# KiCad board Marble.kicad_pcb (continued)
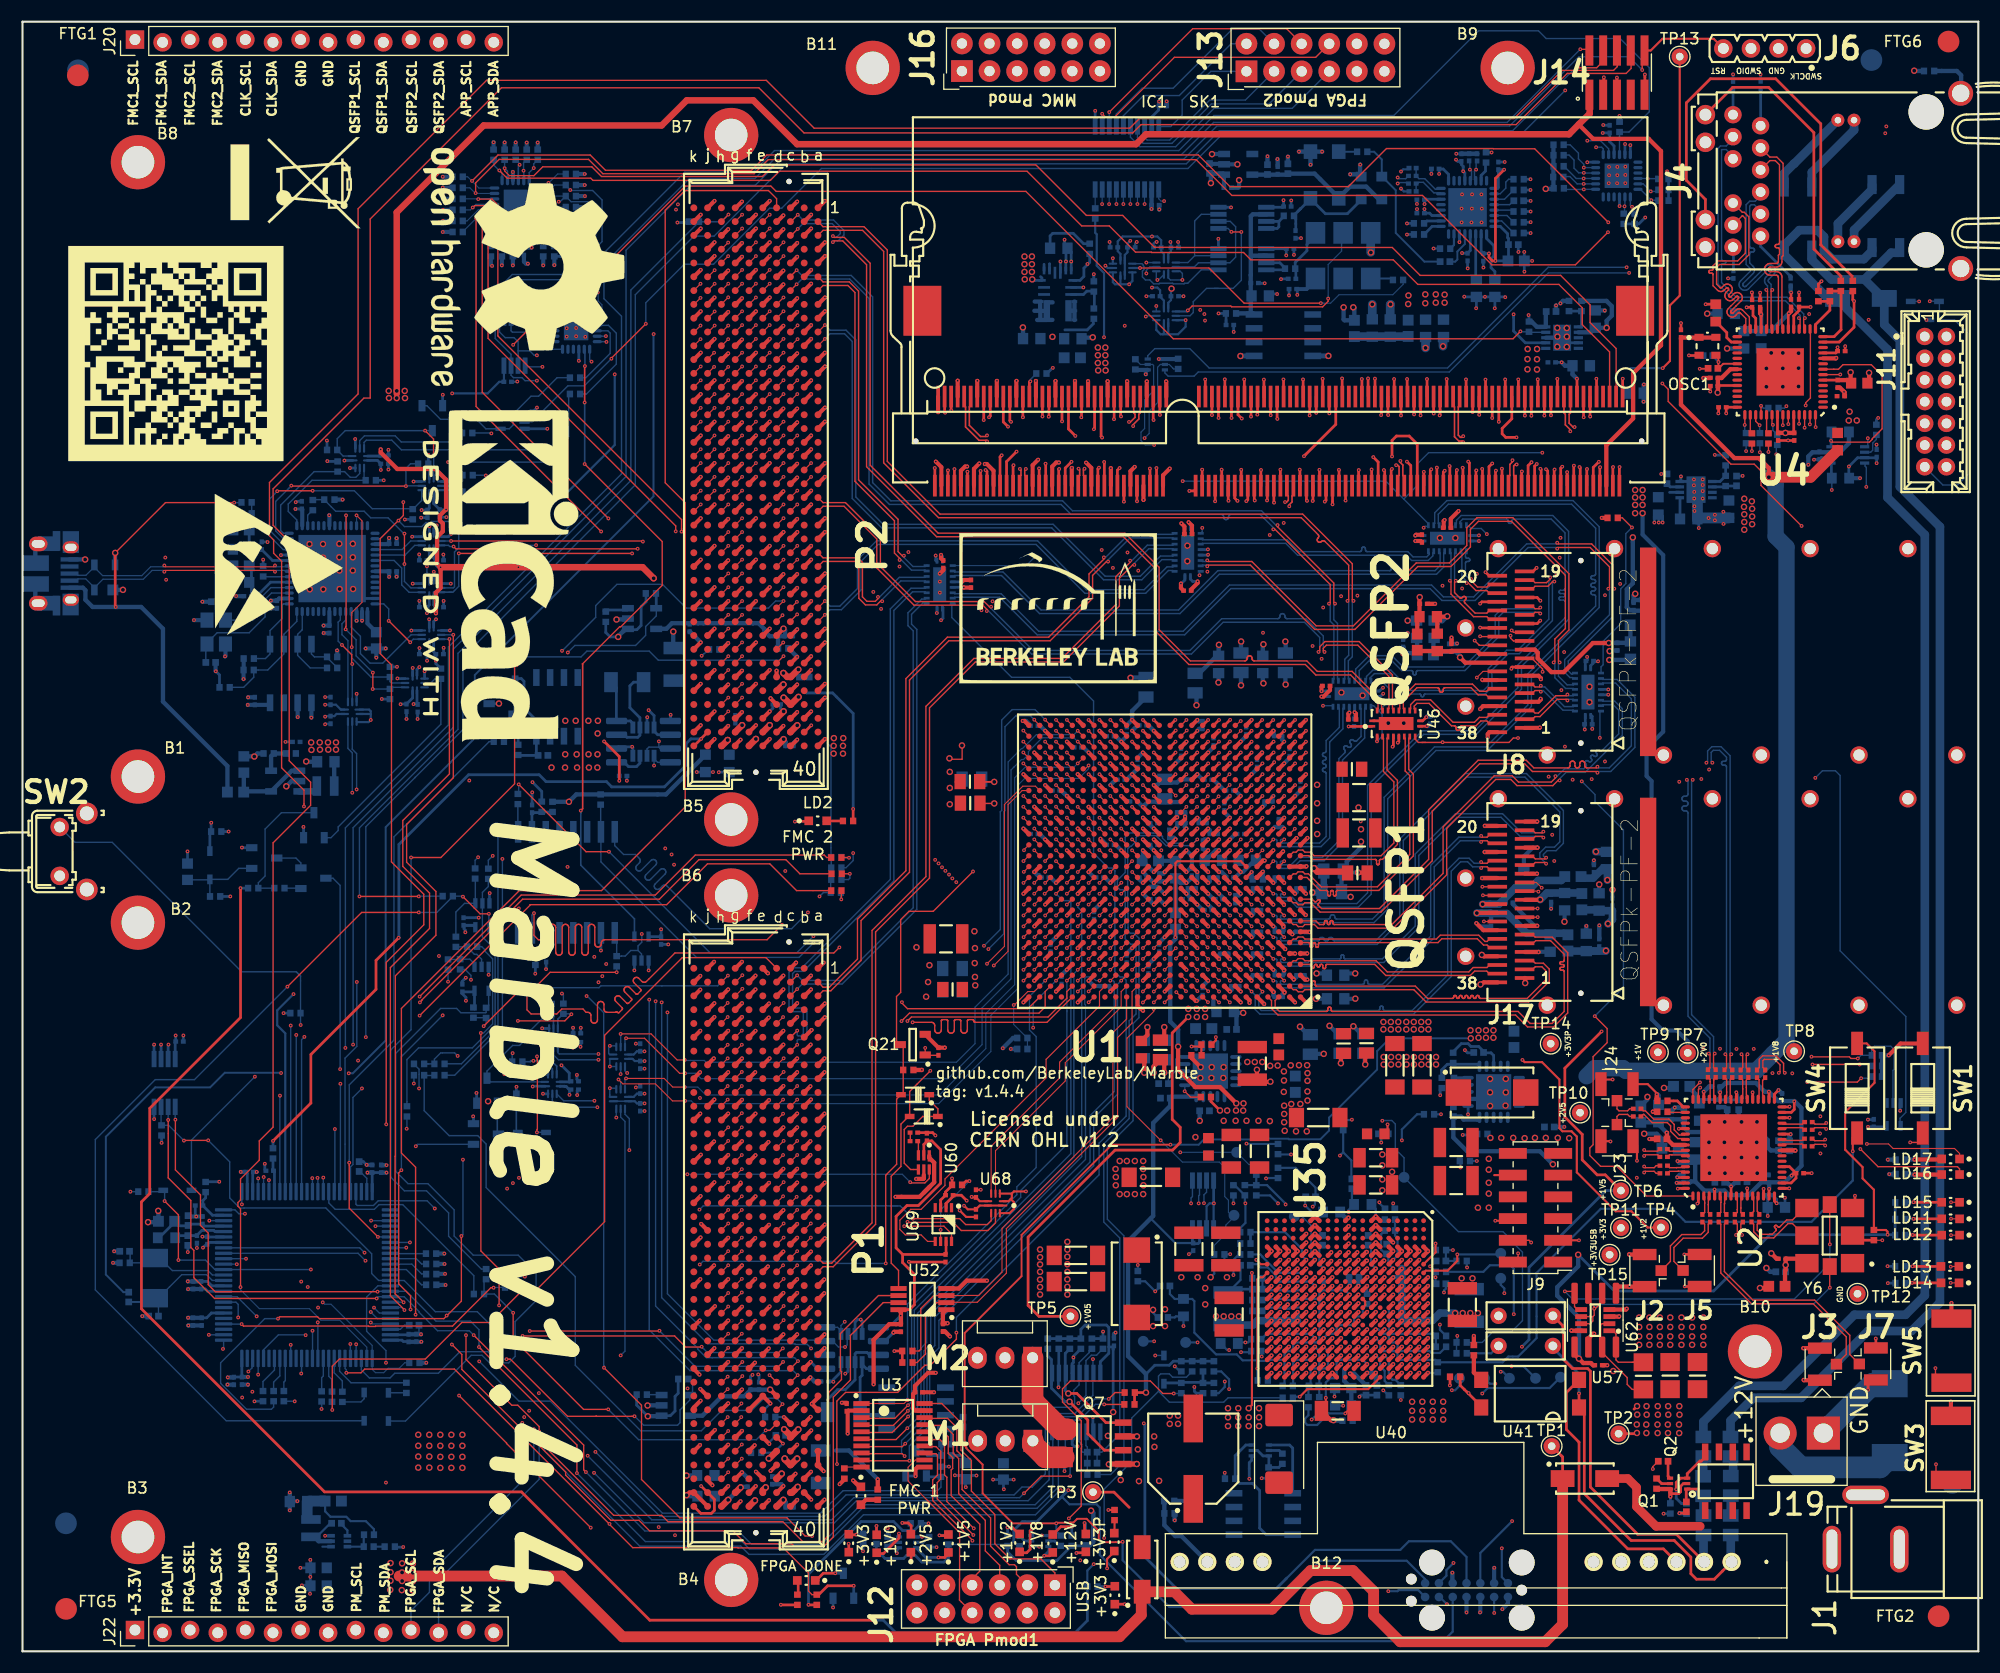
[diagram p0: board, top side]
## Routing (per net, layer and track width the routed paths; a pad name or vN(x,y) marks a point on that pad's centre or on a via; arc(x,y) is an arc through that point) (continued)
/ETH_PHY/RGMII_TX_EN: length 102
  Top w0.102: U1.C9 110.12,61.73 v1(110.12,61.73)
  Top w0.127: U4.56 165.02,112.7 v1(165.03,112.68)
  In2.Cu w0.127: v1(165.03,112.68) 165.03,110.38 163.57,108.91 163.57,105.82 162.83,105.08 162.83,91.56 163.65,90.74 163.66,79.94 161.93,78.2 161.93,74.01 148.74,60.83 146.29,60.83 144.9,59.44 142.67,59.44 140.9,61.21 138.74,61.21 138.22,60.69 117.09,60.69 116.69,60.3 114.02,60.3 113.95,60.37 111.99,60.37 110.62,61.73 v1(110.12,61.73)
/ETH_PHY/RGMII_TXD0: length 102.2
  Top w0.102: U1.H11 v1(108.12,66.73)
  Top w0.127: U4.50 162.02,112.87 v1(162.01,112.86)
  In2.Cu w0.127: v1(162.01,112.86) 161.78,112.63 161.78,107.53 160.69,106.43 160.69,90.08 161.58,89.18 161.58,81.74 159.92,80.08 159.92,76.31 147.63,64.02 135.02,64.02 133.96,62.96 132.03,62.96 130.74,64.24 126.82,64.24 126.76,64.24 126.69,64.22 126.64,64.18 126.59,64.13 126.55,64.08 126.53,64.01 126.52,63.94 126.52,63.65 126.52,63.58 126.49,63.52 126.46,63.46 126.41,63.42 126.35,63.38 126.29,63.36 126.22,63.35 126.16,63.36 126.09,63.38 126.04,63.42 125.99,63.46 125.95,63.52 125.93,63.58 125.92,63.65 125.92,64.44 125.92,64.49 125.9,64.53 125.88,64.57 125.85,64.6 125.81,64.62 125.77,64.63 125.73,64.64 125.52,64.64 125.48,64.63 125.44,64.62 125.4,64.6 125.37,64.57 125.34,64.53 125.33,64.49 125.32,64.44 125.32,63.65 125.32,63.58 125.29,63.52 125.26,63.46 125.21,63.42 125.15,63.38 125.09,63.36 125.02,63.35 124.96,63.36 124.89,63.38 124.84,63.42 124.79,63.46 124.75,63.52 124.73,63.58 124.72,63.65 124.72,63.94 124.72,64.01 124.69,64.08 124.66,64.13 124.61,64.18 124.55,64.22 124.49,64.24 124.42,64.24 124.22,64.24 123.11,65.35 109.95,65.35 109.76,65.55 109.76,65.73 109.39,66.1 108.75,66.1 v1(108.12,66.73)
/ETH_PHY/RGMII_TXD1: length 102.2
  Top w0.102: v1(107.13,66.73) 106.63,67.23 106.62,67.23
  Top w0.127: v1(162.52,112.96) 162.52,112.96 U4.51
  In2.Cu w0.127: v1(162.52,112.96) 162.97,112.52 162.97,111.04 162.01,110.08 162.01,107.19 161.16,106.34 161.16,90.4 162.01,89.55 162.01,81.46 160.33,79.78 160.33,75.88 148.09,63.64 135.4,63.64 134.26,62.49 129.67,62.49 129.6,62.5 129.54,62.53 129.47,62.56 129.42,62.62 129.39,62.68 129.36,62.74 129.35,62.89 129.32,62.96 129.28,63.02 129.23,63.07 129.17,63.11 129.1,63.13 129.03,63.14 128.97,63.14 128.9,63.13 128.84,63.11 128.77,63.07 128.72,63.02 128.69,62.96 128.66,62.89 128.65,62.82 128.65,62.49 128.65,62.49 128.65,62.42 128.65,62.41 128.64,62.39 128.63,62.38 128.62,62.37 128.61,62.36 128.59,62.35 128.58,62.35 128.02,62.35 128,62.35 127.99,62.36 127.98,62.37 127.97,62.38 127.96,62.39 127.95,62.41 127.95,62.44 127.94,62.45 127.93,62.47 127.92,62.48 127.91,62.49 127.89,62.49 127.88,62.49 124.8,62.49 122.35,64.95 116.66,64.95 116.52,65.1 109.21,65.1 108.75,65.55 108.75,65.59 107.61,66.73 v1(107.13,66.73)
/ETH_PHY/RGMII_TXD2: length 97.3
  Top w0.11: v1(111.12,62.75) 111.1,62.75 U1.D8
  Top w0.127: U4.54 v1(164.02,112.63)
  In2.Cu w0.127: v1(111.12,62.75) 111.62,62.25 116.03,62.25 116.1,62.17 118.64,62.17 119.08,61.73 133.84,61.73 133.96,61.85 135.28,61.85 135.85,62.41 148.63,62.41 149.34,63.12 149.34,63.13 161.08,74.88 161.08,79.17 162.79,80.88 162.79,82.52 162.78,90.3 162.01,91.07 162.01,105.55 162.79,106.33 162.79,109.36 164.02,110.59 v1(164.02,112.63)
/ETH_PHY/RGMII_TXD3: length 102.3
  Top w0.102: U1.D9 110.12,62.73 v1(110.12,62.73)
  Top w0.127: U4.55 164.52,112.95 v1(164.5,112.94)
  In2.Cu w0.127: v1(110.12,62.73) 110.62,62.73 112.12,61.22 119.38,61.22 119.42,61.22 119.44,61.21 119.47,61.19 119.49,61.17 119.51,61.15 119.52,61.12 119.52,61.06 119.53,61.03 119.55,61 119.57,60.98 119.6,60.96 119.63,60.95 119.66,60.95 119.98,60.95 120.02,60.95 120.04,60.96 120.07,60.98 120.09,61 120.11,61.03 120.12,61.06 120.12,61.09 120.12,61.22 120.13,61.22 120.13,61.33 120.14,61.36 120.15,61.38 120.16,61.4 120.18,61.42 120.2,61.43 120.22,61.44 120.25,61.44 120.62,61.44 120.65,61.44 120.67,61.43 120.69,61.42 120.71,61.4 120.72,61.38 120.73,61.36 120.73,61.33 120.73,61.09 120.74,61.06 120.75,61.03 120.76,61 120.79,60.98 120.81,60.96 120.84,60.95 120.87,60.95 121.2,60.95 121.23,60.95 121.26,60.96 121.28,60.98 121.31,61 121.32,61.03 121.33,61.06 121.33,61.09 121.33,61.33 121.34,61.36 121.35,61.38 121.36,61.4 121.38,61.42 121.4,61.43 121.42,61.44 121.45,61.44 121.82,61.44 121.85,61.44 121.87,61.43 121.89,61.42 121.91,61.4 121.92,61.38 121.93,61.36 121.93,61.33 121.93,61.09 121.94,61.06 121.95,61.03 121.96,61 121.99,60.98 122.01,60.96 122.04,60.95 122.07,60.95 122.4,60.95 122.43,60.95 122.46,60.96 122.48,60.98 122.51,61 122.52,61.03 122.53,61.06 122.53,61.09 122.53,61.33 122.54,61.36 122.55,61.38 122.56,61.4 122.58,61.42 122.6,61.43 122.62,61.44 122.65,61.44 123.02,61.44 123.05,61.44 123.07,61.43 123.09,61.42 123.11,61.4 123.12,61.38 123.13,61.36 123.13,61.33 123.13,61.09 123.14,61.06 123.15,61.03 123.16,61 123.19,60.98 123.21,60.96 123.24,60.95 123.27,60.95 123.6,60.95 123.63,60.95 123.66,60.96 123.68,60.98 123.71,61 123.72,61.03 123.73,61.06 123.74,61.12 123.75,61.15 123.76,61.17 123.79,61.19 123.81,61.21 123.84,61.22 123.87,61.22 133.29,61.22 133.6,60.92 137.02,60.92 138.08,61.97 138.52,61.97 138.62,61.88 148.9,61.88 161.48,74.45 161.48,78.72 163.13,80.38 163.13,90.59 162.47,91.26 162.47,105.34 162.56,105.43 163.13,106.01 163.13,109.09 164.5,110.46 v1(164.5,112.94)
/FANFAIL: length 166.2
  In2.Cu w0.127: v1(52.73,18.35) 49.57,21.52 49.57,47.51 49.26,47.82 49.26,100.95 49.81,101.49 53.74,105.4 v1(53.74,120.53)
  Bottom w0.127: 82.67,14.39 75.79,14.39 73.81,12.41 58.67,12.41 v1(52.73,18.35) ; 82.67,14.39 82.61,14.39 ; 82.67,14.39 91.26,14.39 91.98,15.12 92.92,15.12 94.13,16.32 94.13,21.69 94.89,22.46 96.5,22.46 96.83,22.78 96.83,23.45 96.75,23.53 96.75,24.03 97.24,24.52 97.24,26.57 98.17,27.5 98.17,27.68 98.33,27.84 R173.2 ; v1(53.74,120.53) 53.72,120.55 U39.6
/FMC1_PRSNT_M2C_L: length 27.9
  Top w0.102: P1.H2 v1(64.92,62.2)
  Top w0.127: v1(42.44,57.54) 45.54,60.64 v1(45.54,61.26)
  Bottom w0.127: 58.9,61.26 58.82,61.26 ; 58.82,61.26 63.98,61.26 v1(64.92,62.2) ; 58.82,61.26 53.23,61.26 53.06,61.08 45.71,61.08 v1(45.54,61.26) ; v1(42.44,57.54) 42.67,57.77 R63.1 42.64,58.32 R234.2
/FMC1_PRSNT_Override: length 2
  Bottom w0.127: D18.2 35.5,23.79 35.48,23.78 R151.1
/FMC1_TCK: length 60.4
  Top w0.127: v1(62.51,28.03) 62.48,28.01 61.03,28.01 60.02,29.02 v1(46.02,29.02) ; P1.D29 v1(69.97,27.88)
  In2.Cu w0.127: v1(40.05,54.8) 40.05,37.98 39.92,37.85 39.92,31.49 42.39,29.02 v1(46.02,29.02)
  Bottom w0.127: v1(62.51,28.03) 63.04,27.5 69.59,27.5 v1(69.97,27.88) ; v1(40.05,54.8) 39.77,55.08 38.48,55.08 37.91,54.5 R241.2 R239.1 37.38,54.07
/FMC1_TDI: length 64.2
  Top w0.127: P1.D30 v1(70,26.64) ; v1(58.62,29.51) 58.59,29.48 v1(46.68,29.48)
  In2.Cu w0.127: v1(41.27,61.81) 41.27,49.95 40.97,49.65 40.97,38.27 41.65,37.58 41.65,31.03 43.2,29.48 v1(46.68,29.48)
  Bottom w0.127: R277.1 40.73,62.77 41.27,62.22 v1(41.27,61.81) ; v1(70,26.64) 69.59,26.23 61.9,26.23 v1(58.62,29.51)
/FMC1_TDO: length 64.1
  Top w0.127: P1.D31 v1(68.76,25.42) ; v1(42.19,56.91) 42.19,36.85 43.86,35.17 v1(43.86,31.84)
  In9.Cu w0.127: v1(43.86,31.84) 46.28,31.84 53.24,24.88 68.22,24.88 v1(68.76,25.42)
  Bottom w0.127: v1(42.19,56.91) 42.43,56.91 43.27,57.74 43.27,63.74 42.58,64.43 42.58,64.54 42.26,64.86 R278.1
/FMC1_TMS: length 58.7
  Top w0.127: P1.D33 69.43,22.23 v1(69.95,22.75)
  Bottom w0.127: 36.99,53 37.83,53 37.86,53.03 ; R240.1 36.97,49.76 39.27,47.46 41.9,47.46 42.67,46.7 42.67,42.69 50.87,34.48 50.87,26.32 56.9,20.3 62.48,20.3 64.35,22.17 67.11,22.17 68.23,23.29 69.41,23.29 v1(69.95,22.75)
/FMC1_TRST: length 35.9
  Top w0.127: v1(68.4,20.34) 68.78,20.34 P1.D34 ; v1(53.91,22.27) 51.64,22.27 45.16,28.74 v1(45.16,31.16)
  Bottom w0.127: R289.2 42.48,34.05 R290.1 43.43,32.88 v1(45.16,31.16) ; v1(53.91,22.27) 56.71,19.47 67.54,19.47 v1(68.4,20.34)
/FMC2_PRSNT_M2C_L: length 86.6
  Top w0.127: P2.H2 v1(64.97,132.25) ; v1(31.01,69.48) v1(36.47,69.48)
  Bottom w0.127: v1(36.47,69.48) 36.5,69.51 R276.1 ; v1(31.01,69.48) 31.01,75.8 40.08,84.86 40.08,91.86 55.99,107.78 55.99,125.31 62.27,131.58 R205.2 ; 62.27,131.59 64.31,131.59 v1(64.97,132.25)
/FMC2_PRSNT_Override: length 2.7
  Bottom w0.127: D17.2 31.44,23.24 31.15,22.95 R152.1
/FMC2_TCK: length 66.3
  Top w0.127: P2.D29 v1(70.04,97.95)
  In4.Cu w0.127: v1(43.76,75.2) 43.76,84.31 54.17,94.72 54.17,95.16 56.31,97.3 69.39,97.3 v1(70.04,97.95)
  Bottom w0.127: v1(43.76,75.2) 43.76,57.45 40.4,54.08 38.8,54.08 ; R241.1 38.85,54.05
/FMC2_TDI: length 49
  Top w0.112: P2.D30 v1(70.04,96.68)
  In7.Cu w0.127: v1(41.93,73.09) 41.93,84.37 v1(49.65,92.09)
  Bottom w0.127: v1(70.04,96.68) 69.31,96.68 68.66,96.03 61.08,96.03 58.9,98.21 54.71,98.21 52.75,96.26 52.75,95.18 49.67,92.09 v1(49.65,92.09) ; v1(41.93,73.09) 41.65,72.81 R279.1 41.63,72.06
/FMC2_TDO: length 43.5
  Top w0.127: P2.D31 69.4,94.82 v1(69.95,95.37)
  In4.Cu w0.127: v1(43.28,73.22) 44.37,74.31 44.37,83.45 53.92,93.01 53.92,93.19 55.74,95.01 69.59,95.01 v1(69.95,95.37)
  Bottom w0.127: 42.89,72.04 R280.1 42.87,72.81 v1(43.28,73.22)
/FMC2_TMS: length 63.4
  Top w0.127: v1(70.01,92.85) 69.4,92.24 P2.D33
  In4.Cu w0.127: v1(70.01,92.85) 69.56,93.31 55.51,93.31 55.43,93.23 55.39,93.23 44.89,82.73 44.89,73.66 v1(44.17,72.94)
  Bottom w0.127: v1(44.17,72.94) 44.17,57.42 39.77,53.03 38.8,53.03
/FMC2_TRST: length 93.6
  Top w0.112: P2.D34 v1(70.04,91.6)
  Top w0.127: v1(35.76,73.07) 38.5,73.07 45.29,79.85 45.29,90.6 v1(45.46,90.77)
  Bottom w0.127: R289.1 42.23,35.18 39.21,38.2 39.21,40.35 37.18,42.38 35.15,42.38 33.89,43.64 33.89,55.35 35.76,57.22 v1(35.76,73.07) ; v1(45.46,90.77) 46.22,91.53 51.4,91.53 51.94,92.07 57.68,92.07 58.52,91.23 69.67,91.23 v1(70.04,91.6)
/FMC_1/FMC1_3P3VAUX: length 9.2
  Top w0.4: v2(68.81,24.08) 68.82,24.08 P1.D32
  Bottom w0.4: 61.42,21.68 62.57,21.68 64.36,23.47 66.42,23.47 67,24.05 C66.1 67.01,24.08 v2(68.81,24.08)
/FMC_1/FMC1_CLK0_M2C_N: length 45.3
  Top w0.11: U1.E17 v1(101.12,63.73)
  Top w0.112: v1(64.9,58.38) 64.32,57.8 P1.H5
  In7.Cu w0.1: v1(64.9,58.38) 65.41,58.89 75.98,58.89 78.32,56.55 97.84,56.55 99.77,58.48 99.77,59.54 99.77,59.55 99.77,59.88 99.77,59.88 99.77,61.56 99.77,61.56 99.77,61.9 99.95,62.08 99.96,62.08 99.97,62.09 100.41,62.09 100.77,62.45 100.77,62.56 100.77,62.56 100.77,62.9 100.77,62.9 100.77,63.95 100.91,64.09 101.07,64.09 101.12,64.04 v1(101.12,63.73)
/FMC_1/FMC1_CLK0_M2C_P: length 45.3
  Top w0.11: U1.F17 v1(101.12,64.73)
  Top w0.112: P1.H4 64.32,59.1 v1(64.9,59.68)
  In7.Cu w0.1: v1(64.9,59.68) 65.41,59.18 76.11,59.18 78.44,56.84 97.72,56.84 99.48,58.6 99.48,59.42 99.48,61.44 99.48,62.02 99.83,62.37 99.84,62.37 99.85,62.38 100.29,62.38 100.48,62.57 100.48,63.02 100.48,63.02 100.48,64.07 100.79,64.38 101.07,64.38 101.12,64.43 v1(101.12,64.73)
/FMC_1/FMC1_CLK1_M2C_N: length 42.9
  Top w0.11: U1.D18 100.12,62.73 v1(100.12,62.73)
  Top w0.112: v1(66.25,60.98) 65.6,60.33 P1.G3
  In7.Cu w0.1: v1(66.25,60.98) 66.73,61.46 68.74,61.46 71.08,63.8 75.12,63.8 80.35,58.56 97.96,58.56 98.77,59.37 98.77,60.56 98.77,60.56 98.77,62.89 98.96,63.09 99.76,63.09 v1(100.12,62.73)
/FMC_1/FMC1_CLK1_M2C_P: length 42.9
  Top w0.11: v1(100.12,63.73) 100.12,63.73 U1.E18
  Top w0.112: P1.G2 65.62,61.6 v1(66.25,62.23)
  In7.Cu w0.1: v1(66.25,62.23) 66.73,61.75 68.62,61.75 70.96,64.09 75.24,64.09 80.47,58.85 97.84,58.85 98.48,59.49 98.48,60.44 98.48,60.44 98.48,63.02 98.83,63.37 98.84,63.37 98.84,63.38 99.76,63.38 v1(100.12,63.73)
/FMC_1/FMC1_FUSE: length 39.4
  Top w0.127: 52.83,21.63 52.73,21.63 ; 52.83,21.63 v1(56.32,21.63) ; 52.83,21.63 50.16,21.63 44.9,26.89 v1(44.55,26.89)
  Bottom w0.127: R260.2 61.67,24.68 61.67,23.83 61.42,23.58 61.42,23.12 60.51,22.22 60.51,21.03 60.28,20.81 57.16,20.81 56.34,21.63 v1(56.32,21.63) ; U54.78 31.18,25.9 31.92,25.16 33.83,25.16 34.26,25.59 38.28,25.59 40.26,27.57 42.85,27.57 43.53,26.89 v1(44.55,26.89)
/FMC_1/FMC1_GBTCLK0_M2C_N: length 170.6
  Top w0.112: P1.D5 69.41,57.79 v1(70,58.38)
  Top w0.13: C86.2 160.39,53.53 160.18,53.74 160.18,54.36 160.29,54.48 161.25,54.48 161.75,53.98 161.75,53.35 v1(161.64,53.24)
  In4.Cu w0.1: v1(70,58.38) 69.52,58.86 63.62,58.86 63.21,58.45 63.21,28.39 63.22,28.37 63.22,27.79 63.21,27.78 63.21,23.72 64.61,22.32 79.51,22.32 89.49,32.3 97.45,32.3 109.62,44.48 120.61,44.48 124.21,40.88 133.11,40.88 135.48,38.5 142.44,38.5 145.22,41.27 145.22,45.32 145.21,45.37 145.2,45.41 145.17,45.45 145.14,45.48 145.1,45.5 145.06,45.52 145.02,45.52 144.98,45.52 144.94,45.53 144.89,45.54 144.86,45.57 144.82,45.6 144.8,45.64 144.79,45.68 144.78,45.72 144.79,45.77 144.8,45.81 144.82,45.85 144.86,45.88 144.89,45.9 144.94,45.92 144.98,45.92 145.02,45.92 145.06,45.93 145.1,45.94 145.14,45.97 145.17,46 145.2,46.04 145.21,46.08 145.22,46.12 145.21,46.17 145.2,46.21 145.17,46.25 145.14,46.28 145.1,46.3 145.06,46.32 145.02,46.32 144.98,46.32 144.94,46.33 144.89,46.34 144.86,46.37 144.82,46.4 144.8,46.44 144.79,46.48 144.78,46.52 144.79,46.57 144.8,46.61 144.82,46.65 144.86,46.68 144.89,46.7 144.94,46.72 144.98,46.72 145.02,46.72 145.06,46.73 145.1,46.74 145.14,46.77 145.17,46.8 145.2,46.84 145.21,46.88 145.22,46.92 145.21,46.97 145.2,47.01 145.17,47.05 145.14,47.08 145.1,47.1 145.06,47.12 145.02,47.12 144.98,47.12 144.94,47.13 144.89,47.14 144.86,47.17 144.82,47.2 144.8,47.24 144.79,47.28 144.78,47.32 144.79,47.37 144.8,47.41 144.82,47.45 144.86,47.48 144.89,47.5 144.94,47.52 144.98,47.52 145.02,47.52 145.06,47.53 145.1,47.54 145.14,47.57 145.17,47.6 145.2,47.64 145.21,47.68 145.22,47.72 145.22,49.4 149.23,53.41 159.39,53.41 160.26,52.55 161.54,52.55 161.77,52.78 161.77,53.11 v1(161.64,53.24)
/FMC_1/FMC1_GBTCLK0_M2C_P: length 171.7
  Top w0.112: v1(70.05,59.68) 69.43,59.06 P1.D4
  Top w0.13: C98.2 159.64,53.53 159.85,53.74 159.85,54.5 160.16,54.81 161.39,54.81 162.08,54.12 162.08,53.35 v1(162.19,53.24)
  In4.Cu w0.1: v1(70.05,59.68) 69.52,59.15 63.5,59.15 62.92,58.57 62.92,28.27 62.93,28.25 62.93,27.91 62.92,27.9 62.92,23.6 64.49,22.03 79.63,22.03 89.62,32.01 97.57,32.01 109.74,44.19 120.49,44.19 124.09,40.59 132.99,40.59 135.36,38.21 142.56,38.21 145.51,41.15 145.51,49.28 149.35,53.12 159.27,53.12 160.13,52.26 161.66,52.26 162.06,52.66 162.06,53.11 v1(162.19,53.24)
/FMC_1/FMC1_GBTCLK1_M2C_N: length 133.7
  Top w0.112: 71.94,37.47 v1(72.55,38.08)
  Top w0.13: C87.2 158.65,53.7 158.65,54.85 v1(158.76,54.96)
  In4.Cu w0.1: v1(158.76,54.96) 158.63,55.09 158.63,55.76 157.92,56.47 146.29,56.47 142.29,52.47 142.25,52.44 142.21,52.42 142.17,52.41 142.12,52.41 142.08,52.42 142.04,52.44 142,52.47 141.98,52.49 141.94,52.52 141.9,52.54 141.86,52.55 141.82,52.55 141.77,52.54 141.73,52.52 141.7,52.49 141.67,52.46 141.65,52.42 141.64,52.37 141.64,52.33 141.65,52.28 141.67,52.24 141.7,52.21 141.72,52.18 141.75,52.15 141.77,52.11 141.78,52.07 141.78,52.02 141.77,51.98 141.75,51.94 141.72,51.9 138.25,48.43 126.75,48.43 125.99,47.68 119.99,47.68 119.29,46.98 114.89,46.98 114.29,46.38 110.06,46.38 103.9,40.22 95.72,40.22 79.67,24.16 72.33,24.16 71.6,24.9 64.57,24.9 64.4,25.07 64.4,38.08 64.91,38.59 72.05,38.59 v1(72.55,38.08)
/FMC_1/FMC1_GBTCLK1_M2C_P: length 133.7
  Top w0.112: 71.91,38.74 v1(72.55,39.38)
  Top w0.13: C99.2 158.13,53.55 158.32,53.74 158.32,54.85 v1(158.21,54.96)
  In4.Cu w0.1: v1(72.55,39.38) 72.05,38.88 64.79,38.88 64.11,38.2 64.11,24.95 64.45,24.61 71.48,24.61 72.21,23.87 79.79,23.87 95.84,39.93 104.02,39.93 110.18,46.09 114.41,46.09 115.01,46.69 119.41,46.69 120.11,47.39 126.11,47.39 126.87,48.14 138.37,48.14 146.41,56.18 157.8,56.18 158.34,55.64 158.34,55.09 v1(158.21,54.96)
/FMC_1/FMC1_PG_C2M: length 71.7
  Top w0.127: v1(28.51,22.22) 28.51,26.24 29.17,26.9 37.07,26.9 40.44,30.27 43.05,30.27 45.91,33.13 47.15,33.13 53.57,39.55 53.57,56.7 60.72,63.85 68.42,63.85 P1.D1
  Bottom w0.127: R153.1 28.51,22.94 v1(28.51,22.22)
/FMC_1/I2C_FMC1_SCL: length 168.3
  Top w0.127: v1(53.92,104.28) 42.31,115.89 v1(42.31,132.69) ; P1.C30 70.7,26.04 v1(71.37,26.71)
  In2.Cu w0.127: v1(53.92,104.28) 53.92,87.72 57.54,84.1 57.54,67.14 58.27,66.41 v1(58.27,59.83)
  In7.Cu w0.127: 10.35,148.23 10.35,146.43 16.85,139.93 30.75,139.93 38.35,132.33 38.55,132.33 39.45,131.43 41.95,131.43 42.31,131.79 v1(42.31,132.69)
  Bottom w0.102: U5.2 41.94,132.69 40.91,131.66 R45.1
  Bottom w0.127: 42.25,132.69 v1(42.31,132.69) ; 63.51,27.03 62.93,27.03 62.14,27.82 62.14,27.9 58.27,31.78 v1(58.27,59.83) ; 63.51,27.03 63.41,27.03 ; 63.51,27.03 71.05,27.03 v1(71.37,26.71)
/FMC_1/I2C_FMC1_SDA: length 166.6
  Top w0.127: v1(41.74,131.91) 41.74,114.59 v1(53.26,103.07) ; P1.C31 70.7,24.77 v1(71.35,25.42)
  In2.Cu w0.127: 57.12,69.03 57.12,66.69 57.34,66.48 57.34,64.62 57.21,64.5 57.21,60.45 v1(57.68,59.99) ; 57.12,69.03 57.12,68.94 ; 57.12,69.03 57.12,76.95 ; 57.12,76.95 57.12,83.64 53.26,87.5 v1(53.26,103.07) 53.25,103.07 ; 57.12,76.95 57.12,77.04
  In7.Cu w0.127: v1(41.74,131.91) 40.37,131.91 39.55,132.73 39.55,135.93 34.85,140.63 20.49,140.63 12.89,148.23
  Bottom w0.102: R46.1 40.52,130.67 41.74,131.89 v1(41.74,131.91) 42.03,132.19 U5.1
  Bottom w0.127: v1(71.35,25.42) 70.93,25.83 61.43,25.83 57.68,29.58 v1(57.68,59.99)
/FMC_1/VIO_B_M2C: length 74.1
  Top w0.254: P1.K40 62.43,12.69 63.4,12.69 63.67,12.97 63.67,13.99 P1.J39 v1(62.46,15.21)
  In4.Cu w0.254: v1(18.11,43.22) 18.11,32.27 16.25,30.42 16.25,28.51 17.5,27.27 20.06,27.27 21.23,26.1 21.23,25.33 21.33,25.22 21.33,24.96 22.88,23.41 39.71,23.41 47.66,15.46 61.54,15.46 61.8,15.21 v1(62.46,15.21)
  Bottom w0.254: R86.2 16.87,43.22 v1(18.11,43.22)
/FMC_2/FMC2_3P3VAUX: length 15.3
  Top w0.4: P2.D32 v2(70.04,94.14)
  Bottom w0.4: v2(70.04,94.14) 70.18,93.99 C10.1 69.56,93.44 ; 69.54,92.62 69.54,93.41 69.56,93.44 ; 69.56,93.44 68.76,93.44 68.29,93.91 68.29,94.09 67.74,94.64 67.26,94.64 67.24,94.62 67.22,94.64 64.72,94.64 64.71,94.63 62.67,94.63 62.66,94.64 62.18,94.64 62.17,94.63 59.77,94.63 59.26,94.12 58.15,94.12
/FMC_2/FMC2_CLK0_M2C_N: length 76
  Top w0.11: U1.AA24 v1(94.12,80.73)
  Top w0.112: 64.32,127.79 v1(64.94,128.42)
  In4.Cu w0.1: v1(64.94,128.42) 64.46,128.9 62.2,128.9 61.97,128.66 61.97,112.88 62.11,112.73 74.62,112.73 80.4,106.95 80.4,103.73 82.67,101.46 82.67,98.1 91.16,89.61 91.16,80.6 91.39,80.37 94.2,80.37 94.3,80.47 94.3,80.55 v1(94.12,80.73)
/FMC_2/FMC2_CLK0_M2C_P: length 77.5
  Top w0.11: U1.Y23 v1(95.12,79.73)
  Top w0.112: 64.34,129.06 v1(64.94,129.67)
  In4.Cu w0.1: v1(95.12,79.73) 94.77,80.08 91.27,80.08 90.87,80.48 90.87,89.49 82.38,97.98 82.38,101.34 80.11,103.61 80.11,106.83 74.5,112.44 61.99,112.44 61.68,112.76 61.68,128.78 62.08,129.19 64.46,129.19 v1(64.94,129.67)
/FMC_2/FMC2_CLK1_M2C_N: length 104.4
  Top w0.11: U1.E23 v1(95.12,63.73)
  Top w0.112: P2.G3 v1(66.23,130.97)
  In4.Cu w0.1: v1(66.23,130.97) 66.23,131.37 66.31,131.46 66.67,131.46 66.7,131.42 66.7,130.63 66.51,130.44 60.86,130.44 59.99,129.58 59.99,105.03 61.52,103.5 71.46,103.5 71.84,103.13 71.84,91.24 72.2,90.88 73.32,90.88 74.6,89.59 74.6,88.15 78.23,84.53 78.23,75.3 80.06,73.47 86.56,73.47 87.85,72.18 87.85,67.58 88.18,67.25 88.18,65.9 90,64.09 95.25,64.09 95.33,64.01 95.33,63.94 v1(95.12,63.73)
/FMC_2/FMC2_CLK1_M2C_P: length 104.9
  Top w0.11: U1.F22 96.12,64.73 v1(96.12,64.73)
  Top w0.112: P2.G2 v1(66.23,132.24)
  In4.Cu w0.1: v1(66.23,132.24) 66.23,131.83 66.31,131.75 66.79,131.75 66.99,131.54 66.99,130.51 66.63,130.15 60.98,130.15 60.28,129.46 60.28,105.15 61.64,103.79 71.58,103.79 72.13,103.25 72.13,91.36 72.32,91.17 73.44,91.17 74.89,89.71 74.89,88.27 78.52,84.65 78.52,75.42 80.18,73.76 86.68,73.76 88.14,72.3 88.14,67.7 88.47,67.37 88.47,66.02 90.12,64.38 94.29,64.38 95.77,64.38 v1(96.12,64.73)
/FMC_2/FMC2_FUSE: length 89.8
  In7.Cu w0.127: v1(30.71,28.26) 31.06,27.91 38.07,27.91 39.47,29.3 39.47,42.89 39.49,42.89 41.13,44.53 41.13,49.4 41.15,49.42 41.15,61.19 42.58,62.62 42.58,84.33 v1(50.19,91.94)
  Bottom w0.127: v1(30.71,28.26) 30.71,26.98 U54.79 ; 58.33,95.94 58.33,95.31 57.35,94.33 57.35,93.51 56.42,92.59 50.84,92.59 v1(50.19,91.94)
  Bottom w0.254: 58.33,97.17 58.33,95.94 58.33,95.94
/FMC_2/FMC2_GBTCLK0_M2C_N: length 161.2
  Top w0.112: P2.D5 v1(70.04,128.43)
  Top w0.13: v1(157.27,54.96) 157.16,54.85 157.16,53.71 C88.2
  In2.Cu w0.1: v1(70.04,128.43) 70.53,128.92 119.83,128.92 121.54,127.2 127.69,127.2 128.93,125.96 149.62,125.96 151.77,123.81 151.77,100.25 155.11,96.91 155.11,81.92 v1(154.98,81.79)
  Bottom w0.13: v1(154.98,81.79) 155.09,81.9 155.09,82.88 155.48,83.26 156.33,83.26 157.16,82.43 157.16,55.07 v1(157.27,54.96)
/FMC_2/FMC2_GBTCLK0_M2C_P: length 161.2
  Top w0.112: P2.D4 v1(70.04,129.7)
  Top w0.13: v1(156.72,54.96) 156.83,54.85 156.83,53.71 C100.2
  In2.Cu w0.1: v1(70.04,129.7) 70.53,129.21 119.95,129.21 121.66,127.49 127.81,127.49 129.05,126.25 149.74,126.25 152.06,123.93 152.06,100.37 155.4,97.03 155.4,81.92 v1(155.53,81.79)
  Bottom w0.13: v1(155.53,81.79) 155.42,81.9 155.42,82.74 155.62,82.93 156.19,82.93 156.83,82.29 156.83,82.1 156.83,82.06 156.81,82.02 156.79,81.99 156.76,81.96 156.73,81.94 156.69,81.93 156.65,81.92 156.54,81.92 156.5,81.92 156.46,81.9 156.43,81.88 156.4,81.85 156.38,81.82 156.37,81.78 156.36,81.75 156.37,81.71 156.38,81.67 156.4,81.64 156.43,81.61 156.46,81.59 156.5,81.58 156.54,81.57 156.65,81.57 156.69,81.57 156.73,81.55 156.76,81.53 156.79,81.5 156.81,81.47 156.83,81.43 156.83,81.4 156.83,55.07 v1(156.72,54.96)
/FMC_2/FMC2_GBTCLK1_M2C_N: length 210.2
  Top w0.112: P2.B21 v1(72.58,108.11)
  Top w0.13: C89.2 155.64,53.72 155.64,54.91 v1(155.75,55.02)
  In9.Cu w0.1: v1(153.72,80.22) 153.6,80.34 153.6,84.21 162.11,92.72 162.11,110.96 161.09,111.97 158.08,111.97 156.85,113.2 155.07,113.2 152.68,115.6 152.68,121.03 147.78,125.93 129.08,125.93 122.6,132.41 115.86,132.41 114.12,134.15 104.97,134.15 104.51,134.6 94.9,134.6 89.52,129.23 61.91,129.23 61.54,128.85 61.54,108.96 61.9,108.6 72.09,108.6 v1(72.58,108.11)
  Bottom w0.13: v1(153.72,80.22) 153.62,80.11 153.62,58.59 155.64,56.57 155.64,55.13 v1(155.75,55.02)
/FMC_2/FMC2_GBTCLK1_M2C_P: length 210.2
  Top w0.112: P2.B20 v1(72.58,109.38)
  Top w0.13: C101.2 155.31,53.72 155.31,54.91 v1(155.2,55.02)
  In9.Cu w0.1: v1(72.58,109.38) 72.09,108.89 62.02,108.89 61.83,109.08 61.83,128.73 62.03,128.94 89.64,128.94 95.02,134.31 104.39,134.31 104.85,133.86 114,133.86 115.74,132.12 122.48,132.12 128.96,125.64 147.66,125.64 152.39,120.91 152.39,115.48 154.95,112.91 156.73,112.91 157.96,111.68 160.97,111.68 161.82,110.84 161.82,92.84 153.31,84.33 153.31,80.34 v1(153.18,80.22)
  Bottom w0.13: v1(153.18,80.22) 153.29,80.11 153.29,78.93 153.28,78.88 153.26,78.84 153.24,78.79 153.2,78.76 153.16,78.73 153.11,78.71 153.06,78.71 152.95,78.71 152.9,78.7 152.86,78.69 152.81,78.66 152.78,78.62 152.75,78.58 152.74,78.53 152.73,78.48 152.74,78.43 152.75,78.39 152.78,78.34 152.81,78.31 152.86,78.28 152.9,78.26 152.95,78.26 153.06,78.26 153.11,78.25 153.16,78.24 153.2,78.21 153.24,78.17 153.26,78.13 153.28,78.08 153.29,78.03 153.28,77.98 153.26,77.94 153.24,77.89 153.2,77.86 153.16,77.83 153.11,77.81 153.06,77.81 152.95,77.81 152.9,77.8 152.86,77.79 152.81,77.76 152.78,77.72 152.75,77.68 152.74,77.63 152.73,77.58 152.74,77.53 152.75,77.49 152.78,77.44 152.81,77.41 152.86,77.38 152.9,77.36 152.95,77.36 153.06,77.36 153.11,77.35 153.16,77.34 153.2,77.31 153.24,77.27 153.26,77.23 153.28,77.18 153.29,77.13 153.29,58.46 155.31,56.44 155.31,55.13 v1(155.2,55.02)
/FMC_2/FMC2_PG_C2M: length 143.3
  Top w0.127: v1(36.18,30.98) 36.18,44.56 34.87,45.86 34.87,59.17 45.72,70.02 53.29,70.02 60.99,77.72 60.99,105.72 59.15,107.56 59.15,132.65 60.96,134.46 68.65,134.46 69.4,133.71 P2.D1
  In2.Cu w0.127: v1(27.52,22.3) 36.18,30.96 v1(36.18,30.98)
  Bottom w0.127: R154.1 27.53,22.32 v1(27.52,22.3)
/FMC_2/I2C_FMC2_SCL: length 94.9
  Top w0.127: P2.C30 70.71,96.04 v1(71.27,96.6) ; v1(41.95,133.67) 43.2,133.67 43.97,132.9 43.97,130.07 43.75,129.84 43.75,121.07 60.65,104.17 v1(60.65,103.06)
  In4.Cu w0.127: v1(71.27,96.6) 70.81,97.06 70.81,99.36 70.23,99.94 61.69,99.94 60.65,100.98 v1(60.65,103.06)
  In7.Cu w0.127: 15.43,148.23 22.43,141.23 35.05,141.23 39.95,136.33 39.95,133.03 40.65,132.33 41.38,132.33 41.95,132.9 v1(41.95,133.67)
  Bottom w0.102: U5.4 43.43,133.7 R47.1
/FMC_2/I2C_FMC2_SDA: length 91.6
  Top w0.127: v1(60.12,103.09) 60.12,103.58 42.85,120.86 42.85,132.95 42.72,133.07 41.61,133.07 v1(41.44,132.9) ; v1(71.29,95.44) 70.67,94.82 P2.C31
  In4.Cu w0.127: v1(71.29,95.44) 70.43,96.31 70.43,99.25 70.1,99.58 61.44,99.58 60.12,100.9 v1(60.12,103.09)
  In7.Cu w0.127: v1(41.44,132.9) 40.35,133.98 40.35,137.03 35.25,142.13 24.07,142.13 17.97,148.23
  Bottom w0.102: R48.1 41.22,132.68 41.73,133.19 U5.3
/FMC_2/VIO_B_M2C: length 68.5
  Top w0.254: P2.K40 61.81,83.34 v1(62.46,83.99) 62.46,84.01 P2.J39 ; v1(34.62,65.67) 32.53,63.59 32.53,60.93 26.54,54.93 26.54,50.46 v1(23.06,46.98)
  Bottom w0.254: v1(62.46,83.99) 61.52,83.99 61.08,83.56 61.08,81.58 59.08,79.57 54.23,79.57 53.74,80.05 48.18,80.05 47.55,80.69 41.06,80.69 34.64,74.27 34.64,65.7 v1(34.62,65.67) ; R87.2 23.05,46.97 v1(23.06,46.98)
/FMC_TCK: length 17.7
  In4.Cu w0.127: v1(31.24,51.81) v1(36.5,51.81)
  Bottom w0.127: v1(31.24,51.81) 30.41,50.98 30.41,44.81 30.18,44.58 30.18,42.31 ; 36.01,54.08 R239.2 36.03,54.05 36.5,53.58 v1(36.5,51.81)
/FMC_TDI: length 29.3
  In4.Cu w0.127: v1(30.77,61.61) 30.79,61.64 v1(39.16,61.64)
  Bottom w0.127: v1(30.77,61.61) 30.77,55.68 29.68,54.6 29.68,42.31 ; R237.1 v1(39.16,61.64)
/FMC_TDO: length 13.5
  In4.Cu w0.127: v1(35.35,48.1) 35.33,48.07 v1(28.75,48.07)
  Bottom w0.127: v1(28.75,48.07) 28.75,42.38 28.68,42.31 ; R275.2 35.38,48.12 v1(35.35,48.1)
/FMC_TMS: length 17.5
  In4.Cu w0.127: v1(36.01,52.26) 29.28,52.26 v1(29.26,52.24)
  Bottom w0.127: 29.18,42.31 29.26,42.38 v1(29.26,52.24) ; 36.07,52.99 36.05,53 ; R240.2 36.03,52.28 v1(36.01,52.26)